# Altium PCB bqZUM_Core_Rev.2.6.PcbDoc (part 1 of 2) (continued)
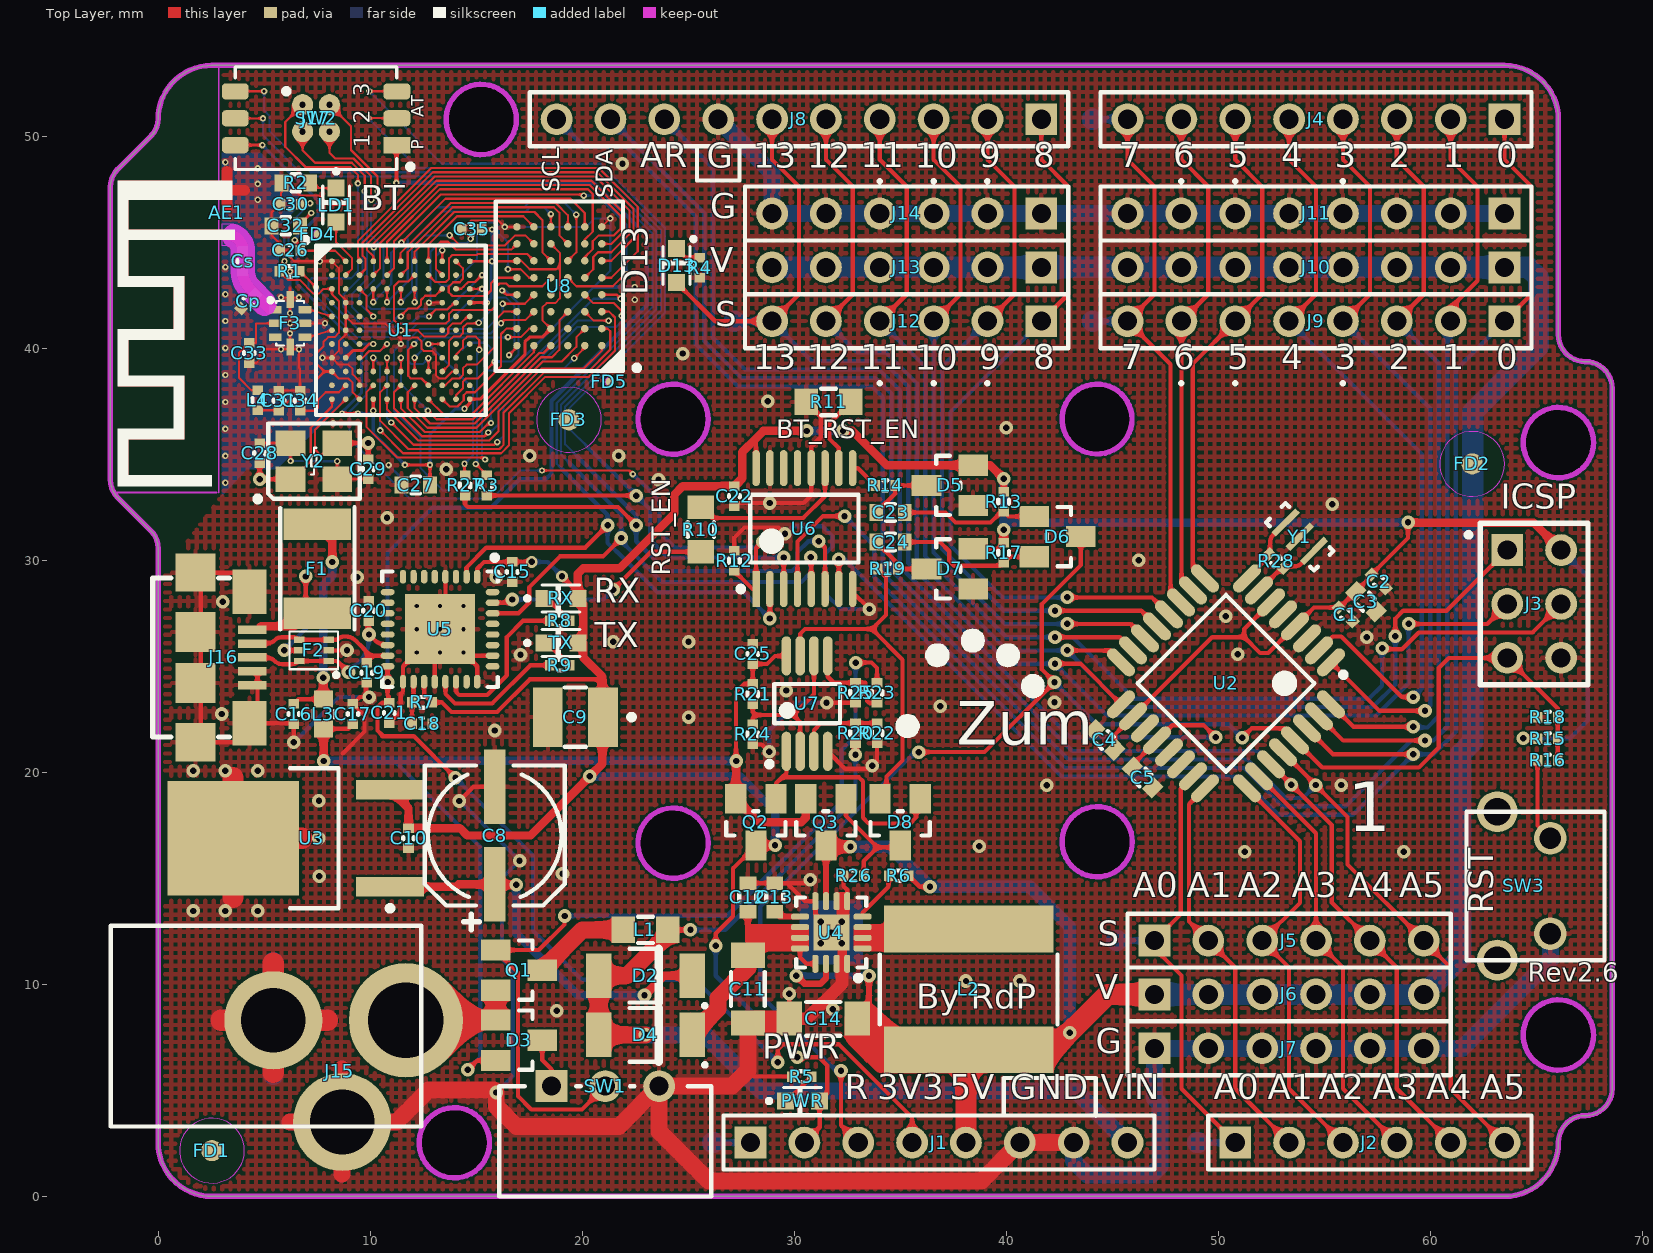
[diagram p0: Top Layer view]
## Footprints (in the part's own frame and the unit in brackets; to place one, negate y for a bottom-side part, rotate by r counter-clockwise, add the part's x,y. Pads: shape width x height; smd on the part's side, far side on the other; paste and mask are expansions set on the pad) (continued)
  oval 0.3x0.65 smd mask+0.05: 9(-1.75,-2.475) 10(-1.25,-2.475) 11(-0.75,-2.475) 12(-0.25,-2.475) 13(0.25,-2.475) 14(0.75,-2.475) 15(1.25,-2.475) 16(1.75,-2.475) 25(1.75,2.475) 26(1.25,2.475) 27(0.75,2.475) 28(0.25,2.475) 29(-0.25,2.475) 30(-0.75,2.475) 31(-1.25,2.475) 32(-1.75,2.475)
  rect 3.3x3.3 smd mask+0.05: 33(0,0)
  silkscreen extent -3.5,-2.73 2.73,2.72, body extent -2.52,-2.51 2.5,2.51, height 0.8
R0402 [mm] "Chip Resistor, Body 1.0x0.5mm, IPC High Density"
  rect 0.45x0.5 smd: 1(-0.475,0) 2(0.475,0)
  silkscreen extent -0.1,-0.25 0.1,0.25, body extent -0.5,-0.25 0.5,0.25, height 0.3
R0603 [mm] "Chip Resistor, Body 1.6x0.8mm, IPC High Density"
  rect 0.65x0.8 smd: 1(-0.675,0) 2(0.675,0)
  silkscreen extent -0.2,-0.4 0.2,0.4, body extent -0.81,-0.4 0.79,0.4, height 0.4
R0805 [mm] "Chip Resistor, Body 2.0x1.25mm, IPC High Density"
  rect 1.1x1.25 smd: 1(-1.05,0) 2(1.05,0)
  silkscreen extent -0.35,-0.62 0.35,0.62, body extent -0.98,-0.62 1.02,0.63, height 0.39
Resonator_1.3x3.2 [mm] "Resonator_1.3x3.2, 3 leads."
  rect 0.3x1.6 smd: 1(-0.95,0) 2(0,0) 3(0.95,0)
  silkscreen extent -1.6,-0.66 1.6,0.64, body extent -1.6,-0.66 1.6,0.64, height 1.02
"Slide SW SPDT Right Angle" [mm] "3 pin SPDT Right Angle Switch pitch 2.54mm"
  rect 1.5x1.5 hole 0.9: 1(0,0)
  round 1.5 hole 0.9: 2(2.54,0) 3(5.08,0)
  silkscreen extent -2.46,-5.2 7.54,0, body extent -2.47,-7.19 7.53,0.32, height 2.5
SOD128 [mm] "Small Outline 2.7x4mm"
  rect 1.2x2.1 smd: A(-2.2,0) K(2.2,0)
  silkscreen extent -0.75,-1.47 2.85,1.27, body extent -2.61,-1.35 2.59,1.35, height 1.11
SOT23-3 [mm] "SOT23, 3-Leads, Body 2.9x1.3mm, Pitch 0.95mm, Lead Span 2.5mm, IPC High Density"
  rect 1x1.4 smd: 1(0.95,1.1) 2(-0.95,1.1) 3(0,-1.1)
  silkscreen extent -1.4,-0.64 1.4,0.51, body extent -1.44,-1.45 1.46,1.35, height 1.07
SOT563 [mm] "SOT563, 6-Leads, Body 1,60x1,20mm, Pitch 0,50mm, IPC Medium Density"
  rect 0.5x0.3 smd paste+0 mask+0.05: 1(-0.7,0.5) 2(-0.7,0) 3(-0.7,-0.5) 4(0.7,-0.5) 5(0.7,0) 6(0.7,0.5)
  silkscreen extent -1.15,-0.89 1.14,1.26, body extent -0.8,-0.8 0.8,0.8, height 0.55
SRN8040 [mm] "SRN8040 Series Inductor, 2-Leads, Body 8,00x8,00mm, IPC Medium Density"
  rect 2.2x8 smd: 1(-2.85,0) 2(2.85,0)
  silkscreen extent -1.65,-4.19 1.65,4.19, body extent -4.01,-4 4.01,4, height 4
"SW DIP3 SMD 1.27" [mm] "SWITCH 3 POS SMD 1.27mm pitch"
  rect 0.76x1.27 smd: 1(-1.27,-3.81)
  rrect50% 0.76x1.27 smd: 2(0,-3.81) 3(1.27,-3.81) 4(1.27,3.81) 5(0,3.81) 6(-1.27,3.81)
  silkscreen extent -2.41,-4.56 2.41,3.81, body extent -2.42,-4 2.43,4, height 2.1
SW_Vert_THT_7.5x6x6.5 [mm] "Vertical Switch THT"
  round 1.54 hole 1: 1(0,0) 2(4.5,0)
  round 1.93 hole 1.3: 3(-1.25,-2.5) 4(5.75,-2.5)
  silkscreen extent -1.25,-3.95 5.75,2.55, body extent -1.84,-3.95 6.34,3.85, height 7.1
TFBGA48P6X8 [mm] "TFBGA48 6 x 8 mm, 6 x 8 ball array, 0.80mm pitch"
  round 0.35 smd: A1(-2,2.8) A2(-1.2,2.8) A3(-0.4,2.8) A4(0.4,2.8) A5(1.2,2.8) A6(2,2.8) B1(-2,2) B2(-1.2,2) B3(-0.4,2) B4(0.4,2) B5(1.2,2) B6(2,2) C1(-2,1.2) C2(-1.2,1.2) C3(-0.4,1.2) C4(0.4,1.2) C5(1.2,1.2) C6(2,1.2) D1(-2,0.4) D2(-1.2,0.4) D3(-0.4,0.4) D4(0.4,0.4) D5(1.2,0.4) D6(2,0.4) E1(-2,-0.4) E2(-1.2,-0.4) E3(-0.4,-0.4) E4(0.4,-0.4) E5(1.2,-0.4) E6(2,-0.4) F1(-2,-1.2) F2(-1.2,-1.2) F3(-0.4,-1.2) F4(0.4,-1.2) F5(1.2,-1.2) F6(2,-1.2) G1(-2,-2) G2(-1.2,-2) G3(-0.4,-2) G4(0.4,-2) G5(1.2,-2) G6(2,-2) H1(-2,-2.8) H2(-1.2,-2.8) H3(-0.4,-2.8) H4(0.4,-2.8) H5(1.2,-2.8) H6(2,-2.8)
  silkscreen extent -3.78,-4 3,4, body extent -3,-4 3,4, height 1.2
TFBGA96P8X8 [mm] "96-Ball Thin Fine-Pitch Ball Grid Array (TFBGA)"
  round 0.27 smd: A1(-3.25,3.25) A2(-2.6,3.25) A3(-1.95,3.25) A4(-1.3,3.25) A5(-0.65,3.25) A6(0,3.25) A7(0.65,3.25) A8(1.3,3.25) A9(1.95,3.25) A10(2.6,3.25) A11(3.25,3.25) B1(-3.25,2.6) B2(-2.6,2.6) B3(-1.95,2.6) B4(-1.3,2.6) B5(-0.65,2.6) B6(0,2.6) B7(0.65,2.6) B8(1.3,2.6) B9(1.95,2.6) B10(2.6,2.6) B11(3.25,2.6) C1(-3.25,1.95) C2(-2.6,1.95) C3(-1.95,1.95) C4(-1.3,1.95) C5(-0.65,1.95) C6(0,1.95) C7(0.65,1.95) C8(1.3,1.95) C9(1.95,1.95) C10(2.6,1.95) C11(3.25,1.95) D1(-3.25,1.3) D2(-2.6,1.3) D3(-1.95,1.3) D9(1.95,1.3) D10(2.6,1.3) D11(3.25,1.3) E1(-3.25,0.65) E2(-2.6,0.65) E3(-1.95,0.65) E9(1.95,0.65) E10(2.6,0.65) E11(3.25,0.65) F1(-3.25,0) F2(-2.6,0) F3(-1.95,0) F9(1.95,0) F10(2.6,0) F11(3.25,0) G1(-3.25,-0.65) G2(-2.6,-0.65) G3(-1.95,-0.65) G9(1.95,-0.65) G10(2.6,-0.65) G11(3.25,-0.65) H1(-3.25,-1.3) H2(-2.6,-1.3) H3(-1.95,-1.3) H9(1.95,-1.3) H10(2.6,-1.3) H11(3.25,-1.3) J1(-3.25,-1.95) J2(-2.6,-1.95) J3(-1.95,-1.95) J4(-1.3,-1.95) J5(-0.65,-1.95) J6(0,-1.95) J7(0.65,-1.95) J8(1.3,-1.95) J9(1.95,-1.95) J10(2.6,-1.95) J11(3.25,-1.95) K1(-3.25,-2.6) K2(-2.6,-2.6) K3(-1.95,-2.6) K4(-1.3,-2.6) K5(-0.65,-2.6) K6(0,-2.6) K7(0.65,-2.6) K8(1.3,-2.6) K9(1.95,-2.6) K10(2.6,-2.6) K11(3.25,-2.6) L1(-3.25,-3.25) L2(-2.6,-3.25) L3(-1.95,-3.25) L4(-1.3,-3.25) L5(-0.65,-3.25) L6(0,-3.25) L7(0.65,-3.25) L8(1.3,-3.25) L9(1.95,-3.25) L10(2.6,-3.25) L11(3.25,-3.25)
  silkscreen extent -4.62,-4 4,4.37, body extent -4,-4 4,4, height 1.2
TO-252 [mm] "TO-252, 3-Pads, Body 6,21x6,71mm (max), IPC Medium Density"
  rect 3.2x0.93 smd: 1(-5.478,2.29) 3(-5.478,-2.29)
  rect 6.2x5.4 smd: 2(1.922,0)
  silkscreen extent -5.6,-3.3 -0.76,3.43, body extent -5.81,-3.27 4.13,3.27, height 2.3
TQFP32 [mm] "Thin QFP, 32-Leads, Body 7x7mm, Pitch 0.8mm, IPC Medium Density"
  oval 1.65x0.55 smd: 1(-4.2,2.8) 2(-4.2,2) 3(-4.2,1.2) 4(-4.2,0.4) 5(-4.2,-0.4) 6(-4.2,-1.2) 7(-4.2,-2) 8(-4.2,-2.8) 17(4.2,-2.8) 18(4.2,-2) 19(4.2,-1.2) 20(4.2,-0.4) 21(4.2,0.4) 22(4.2,1.2) 23(4.2,2) 24(4.2,2.8)
  oval 0.55x1.65 smd: 9(-2.8,-4.2) 10(-2,-4.2) 11(-1.2,-4.2) 12(-0.4,-4.2) 13(0.4,-4.2) 14(1.2,-4.2) 15(2,-4.2) 16(2.8,-4.2) 25(2.8,4.2) 26(2,4.2) 27(1.2,4.2) 28(0.4,4.2) 29(-0.4,4.2) 30(-1.2,4.2) 31(-2,4.2) 32(-2.8,4.2)
  silkscreen extent -4.32,-2.95 2.95,3.75, body extent -4.47,-4.5 4.53,4.5, height 1.6
TSSOP16 [mm] "TSSOP, 16-Leads, Body 5.0x4.4mm, Pitch 0.65mm"
  rect 0.35x1.7 smd: 1(-2.275,-2.85)
  oval 0.35x1.7 smd: 2(-1.625,-2.85) 3(-0.975,-2.85) 4(-0.325,-2.85) 5(0.325,-2.85) 6(0.975,-2.85) 7(1.625,-2.85) 8(2.275,-2.85) 9(2.275,2.85) 10(1.625,2.85) 11(0.975,2.85) 12(0.325,2.85) 13(-0.325,2.85) 14(-0.975,2.85) 15(-1.625,2.85) 16(-2.275,2.85)
  silkscreen extent -3.12,-2.97 2.55,1.6, body extent -2.56,-3.23 2.54,3.17, height 1.2
USB_Micro_B [mm] "USB Micro Type B SMD"
  rect 0.4x1.35 smd: 1(-1.3,1.338) 2(-0.65,1.338) 3(0,1.338) 4(0.65,1.338) 5(1.3,1.338)
  rect 1.8x1.9 smd: S1(-4,-1.337) S4(4,-1.337)
  rect 1.9x1.9 smd: S2(-1.2,-1.337) S3(1.2,-1.337)
  rect 2.1x1.6 smd: S5(-3.1,1.213) S6(3.1,1.213)
  silkscreen extent -3.75,-3.35 3.75,0.26, body extent -4.1,-3.93 4.1,2, height 2.72
VSSOP8 [mm] "Plastic Small-Outline Package 3.1x5.05 mm"
  oval 1.85x0.45 smd mask+0.05: 1(-2.25,0.975) 2(-2.25,0.325) 3(-2.25,-0.325) 4(-2.25,-0.975) 5(2.25,-0.975) 6(2.25,-0.325) 7(2.25,0.325) 8(2.25,0.975)
  silkscreen extent -2.98,-1.55 0.92,1.9, body extent -1.55,-1.55 1.55,1.55, height 1.1
"XTAL 3.2x2.5" [mm] "Crystal 3.2x2.5mm, 4 leads."
  rect 1.4x1.2 smd: 1(-1.1,-0.85) 2(1.1,-0.85) 3(1.1,0.85) 4(-1.1,0.85)
  silkscreen extent -2.78,-1.91 2.16,1.78, body extent -1.6,-1.28 1.6,1.22, height 0.91

## Part data
AE1: library part Microstrip_2.4GHz, "Antenna with Ground"
C1 C26 C31 C34: library part C0402_10nF_6V3_±10%
C2 C10 C15 C17 C18 C21 C22 C25: library part C0402_100nF_6V3_±10%
C3 C4 C5 C23 C24: library part C0603_1uF_16V_±10%
C8: library part Cap_Al_100uF_25V, "Capacitor Electrolytic"
C9: library part 150uF_6V3_±20%, "Tantalum Capacitor"
C11: library part C1206_10uF_50V_±20%
C12: library part C0603_100nF_25V_±10%
C13: library part C0603_620pF_25V_±5%
C14: library part C1206_22uF_10V_±20%
C16: library part C0402_10nF_16V_±10%
C19 C20: library part C0402_47pF_16V_±10%
C27 C32: library part C0603_2.2uF_6V3_±10%
C28 C29: library part C0402_10pF_6V3_±10%
C30: library part C0402_18pF_6V3_±10%
C33: library part C0402_15pF_16V_±10%
C35: library part C0402_47nF_6V3_±10%
Cp: library part C0402_1pF_50V_0.25pF
Cs: library part C0402_3,7pF_50V_±7%
D2 D4: "Diodo Schottky"
D3 D8: library part BAT54C, "Dual Schottky Diode Common Cathode"
D5 D7: "Dual Schottky Diode"
D6: library part BAT54A, "Dual Schottky Diode Common Anode"
D13 PWR RX: library part "LG Q971-KN-1", "Light Emitting Diode"
F1: library part "FUSE 0.5A 15V", "PTC Resettable Fuse"
F2: library part "USB ESD Single", "USB ESD Protection"
F3: "Band Pass Balun Filter"
FD4 FD5: library part "Fiducial Local 0.4mm"
J1 J4: library part CON_SH_THT2.54_8, "8 pin Socket Header 2.54mm"
J2: library part CON_SH_THT2.54_6, "6 pin Socket Header 2.54mm"
J3: library part CON_DPH_THT2.54_6, "6 pin Dual Header 2.54mm"
J5: library part "CON_PH_THT2.54_6 Blue"
J6 J13: library part "CON_PH_THT2.54_6 Red"
J7 J14: library part CON_PH_THT2.54_6
J8: library part CON_SH_THT2.54_10, "Connector, 10 pin Socket Header 2.54mm"
J9: library part "CON_PH_THT2.54_8 Natural"
J10: library part "CON_PH_THT2.54_8 Red"
J11: library part CON_PH_THT2.54_8
J12: library part "CON_PH_THT2.54_6 Natural"
J15: library part "DC Power Jack", "DC Power Jack"
J16: library part "Micro USB Type B SMD", "USB Micro B"
J17: library part CON_DPH_THT_1.27_4, "4 pin Dual Header 1.27mm"
L1: library part L0805_33R_0,008R_4000mA, "Ferrite Bead"
L2: library part 2,2uH_6,3A, "Inductor SMD"
L3: library part L0603_120R_0,025R_3000mA, "Ferrite Bead"
L4: library part 15nH_0,3A, "Inductor SMD"
LD1: library part LTST-C194TBKT, "Light Emitting Diode"
Q1: library part DMP3098L, "Mosfet Channel P Enhancement Mode"
Q2 Q3: library part DMP2035U, "Mosfet Channel P Enhancement Mode"
R1: library part R0402_2R2_0.063W_±5%
R2: library part R0603_430R_0.1W_±5%
R3 R27: library part R0402_220R_0.063W_±5%
R4 R5 R8 R9: library part R0402_330R_0.063W_±5%
R6: library part R0402_100k_0.063W_±1%
R7: library part R0402_1k_0.063W_±5%
R10 R11: library part R0805_0R_0.125W_±5%
R12: library part R0402_47k_0.063W_±5%
R13 R15 R17: library part R0402_10k_0.063W_±5%
R14 R19: library part R0402_470R_0.063W_±5%
R16: library part R0402_33R_0.063W_±5%
R18: library part R0402_150k_0.063W_±5%
R20 R21: library part R0402_82k_0.063W_±1%
R22: library part R0402_18k_0.063W_±1%
R23: library part R0402_820k_0.063W_±1%
R24: library part R0402_20k_0.063W_±1%
R25: library part R0402_270k_0.063W_±1%
R26: library part R0402_51k_0.063W_±1%
R28: library part R0402_1M_0.063W_±5%
SW1: library part "Switch SPDT"
SW2: library part "SW-DIP 3 SMD", "SWITCH TAPE SEAL 3 POS SMD"
SW3: library part "SW Vertical THT", "Micro miniature pushbutton surface Switch"
TX: library part "LS Q976-NR-1", "Light Emitting Diode"
U1: library part BlueCore4-EXT, "Bluetooth Modem, 2.4-GHz Bluetooth SoC"
U2: "8-bit AVR Microcontroller"
U3: library part TL720M05-Q1, "Standard 3pin LDO"
U4: library part TPS62133, "3A High Efficient Synchronous Step Down Converter with DCS™ Control"
U5: library part FT232RQ, "IC USB TO SERIAL UART 32-QFN"
U6: library part SN74CBT3257, "4-bit 1-of-2 FET multiplexer/demultiplexer"
U7: library part LMV612, "Dual Operational Amplifier"
U8: library part M29W800DT, "8-Mbit 3 V supply flash memory"
Y1: "Resonator 3 pin"
Y2: library part "403C11A 26MHz", "Crystal"

## Free pads (board coordinates)
  round 1.524 hole 3.3 unplated: 0(13.97,2.54) 0(15.24,50.8) 0(24.29,16.67) 0(24.29,36.67) 0(44.29,16.67) 0(44.29,36.67) 0(66.04,7.62) 0(66.04,35.56)

## Via types
v1: diameter 0.64, hole 0.3, Top Layer to Bottom Layer, 129 vias
v2: diameter 0.3, hole 0.15, Top Layer to Bottom Layer, 110 vias
v3: diameter 0.5, hole 0.2, Top Layer to Bottom Layer, 9 vias
v4: diameter 0.5, hole 0.3, Top Layer to Bottom Layer, 5 vias
v5: diameter 0.56, hole 0.3, Top Layer to Bottom Layer, 2 vias

## Nets (pads, with @x,y where several pads share a name; then routed paths per layer and width w, separated by ;. In a path a pad name is that pad's centre, name@x,y a point inside that pad or via, vN(x,y) a via of type N, cw(c..) or ccw(c..) an arc to the next point about the centre after c; other vN are vias at no path point)
1V8: C30.2 C31.2 L4.2 R1.2 U1.C1 U1.J1 U1.L3 | length 18.9
  Top Layer w0.1: L4.2@4.7,37.075 C31.2@5.725,37.075 ; R1.2@5.667,43.625 R1.2@5.725,43.625 ; C31.2@5.7,37.05 6.175,37.525 7.1,37.525 7.45,37.875 7.45,38.5 7.85,38.9 ; v2(5.965,44.1) 5.725,43.86 R1.2@5.725,43.625 ; C30.2@6.725,46.8 6.76,46.835 v2(7.17,46.835) ; U1.L3@9.5,37.6 9.175,37.925 9.175,38.375 8.975,38.575 8.525,38.575 U1.J1@8.2,38.9 7.85,38.9 ; R1.2@5.725,43.625 6.125,43.225 6.676,43.225 7.326,42.575 7.574,42.575 7.799,42.8 U1.C1@8.2,42.8 8.2,42.55 8.315,42.435 8.318,42.435 8.525,42.228 8.525,40.725 8.325,40.525 8.025,40.525 7.8,40.3 7.8,40.1 7.45,39.75 7.45,39.3 7.85,38.9
  Bottom Layer w0.1: v2(5.965,44.1) 5.95,44.115 5.95,45.615 v2(7.17,46.835)
3V_SW: C26.2 C27.2 C35.1 SW2.6 U1.A2 U1.A11 U1.D11 U1.H2 U1.L4 U1.L11 U8.B4 U8.F6 U8.G4 | length 54
  Top Layer w0.1: v2(6.45,45.1) 6.7,44.85 C26.2@6.7,44.625 C26.2@6.675,44.625 ; C26.2@6.725,44.6 8.35,44.6 U1.A2@8.85,44.1 ; U1.A11@14.7,44.1 16.9,44.1 U8.F6@16.925,44.125 17.125,44.125 17.525,43.725 18.775,43.725 18.95,43.9 ; U8.G4@18.45,44.925 U8.G4@18.525,44.925 18.95,44.5 18.95,43.9 ; U8.B4@18.525,40.925 18.125,41.325 18.125,41.925 18.325,42.125 18.725,42.125 18.95,42.35 18.95,43.9
  Top Layer w0.15: SW2.6@3.49,49.58 v2(4.92,49.58) ; v2(8.675,36.925) v2(9.425,36.925) ; U1.H2@8.85,39.55 9.19,39.89 9.64,39.89 9.95,40.2 v2(10.15,40.2) ; v2(10.15,37.05) U1.L4@10.15,37.6 ; v2(11.64,34.5) v2(12.825,34.5) C27.2@12.825,33.55 ; v2(14.449,37.15) 14.7,37.4 U1.L11@14.7,37.6 15.199,37.6 17.3,39.701 17.3,39.818 17.3,40.3 17.525,40.525 18.125,40.525 U8.B4@18.525,40.925 ; U1.D11@14.7,42.15 v2(15.5,42.15) ; C35.1@15.275,45.6 v2(15.75,45.6)
  Bottom Layer w0.1: 9.982,40.2 v2(10.15,40.2)
  Bottom Layer w0.15: v2(4.92,49.58) 7.55,46.95 7.55,46.245 6.45,45.145 v2(6.45,45.1) 6.45,44.85 6.55,44.75 6.55,43.033 9.383,40.2 9.982,40.2 9.595,39.813 9.595,37.893 8.675,36.973 v2(8.675,36.925) ; v2(9.425,36.925) 10.025,36.925 v2(10.15,37.05) 10.15,35.99 v2(11.64,34.5) ; v2(12.825,34.5) 12.825,35.95 14.025,37.15 v2(14.449,37.15) ; v2(15.5,42.15) 15.7,42.35 15.7,43.9 15.75,43.95 v2(15.75,44.1) v2(15.75,45.6)
5V_HP: C14.2 J1.5 J6.1 J6.2 J6.3 J6.4 J6.5 J6.6 J10.1 J10.2 J10.3 J10.4 J10.5 J10.6 J10.7 J10.8 J13.1 J13.2 J13.3 J13.4 J13.5 J13.6 L2.2 Q3.3 R6.2 U4.7 U4.14 | length 137.8
  Top Layer w0.2: R6.2@35.4,15.125 35.92,14.605 v1(36.404,14.605)
  Top Layer w0.28: 31.5,10.291 U4.14@31.5,10.971 ; U4.7@31.5,13.921 Q3.3@31.5,16.549 ; C14.2@32.969,8.382 33.163,8.576 C14.2@33.207,8.62
  Top Layer w0.3: v1(30.099,10.414) 30.48,10.033 31.242,10.033 31.5,10.291 ; C14.2@33.207,8.62 33.528,8.941 v1(33.528,10.414)
  Top Layer w0.6: Q3.3@31.563,16.486 v1(32.654,16.486)
  Top Layer w1: J1.5@38.1,2.54 L2.2@38.1,6.405 ; L2.2@38.23,6.91 42.159,6.91 44.774,9.525 J6.1@46.99,9.525
  Top Layer w1.2: C14.2@32.969,8.382 32.969,7.624 34.188,6.405 L2.2@38.1,6.405 ; C14.2@33.163,8.576 33.378,8.576 34.621,7.333 L2.2@35.379,7.333
  Bottom Layer w0.3: v1(30.099,10.414) v1(33.528,10.414)
  Bottom Layer w0.6: v1(32.654,16.486) 34.523,16.486 v1(36.404,14.605) 41.119,14.605 42.99,12.734 v1(42.99,7.724)
  Bottom Layer w1: J13.6@28.956,43.815 J13.5@31.496,43.815 J13.4@34.036,43.815 J13.3@36.576,43.815 J13.2@39.116,43.815 J13.1@41.656,43.815 J10.8@45.72,43.815 J10.7@48.26,43.815 J10.6@50.8,43.815 J10.5@53.34,43.815 J10.4@55.88,43.815 J10.3@58.42,43.815 J10.2@60.96,43.815 J10.1@63.5,43.815 64.613,43.815 65.096,43.332 65.096,40.096 62,37 62,21.45 61.439,20.889 61.439,11.274 J6.6@59.69,9.525 J6.5@57.15,9.525 J6.4@54.61,9.525 J6.3@52.07,9.525 J6.2@49.53,9.525 J6.1@46.99,9.525
5V_REG: C1.2 C2.2 C3.2 C4.2 C9.1 C10.2 C15.2 C22.1 D5.2 D7.2 J1.2 J3.2 PWR.A Q2.3 R7.2 R13.2 R15.2 R17.2 RX.A TX.A U2.4 U2.6 U2.18 U3.3 U5.1 U5.19 U6.16 | length 161.9
  Top Layer w0.2: U5.19@12.55,24.275 12.55,23.675 R7.2@12.925,23.3 13.384,23.3 13.834,22.85 15.992,22.85 17.526,24.384 20.955,24.384 ; U5.1@15.05,29.225 15.05,29.6 15.375,29.925 C15.2@16.7,29.925 v5(17.625,29.925) ; v5(19.05,29.25) 19.8,28.5 RX.A@19.8,28.2 ; v1(26.301,11.815) 26.301,12.399 27.113,13.211 27.113,15.472 Q2.3@28.194,16.553 ; 28.2,35.75 28.205,35.745 U6.16@28.205,34.346 ; v1(30.15,6.56) 31.179,6.56 31.561,6.178 31.561,4.861 PWR.A@31.2,4.5 31.2,3.26 J1.2@30.48,2.54 ; D7.2@38.438,30.541 39.591,30.541 R17.2@39.878,30.828 ; v1(39.878,31.445) v1@39.878,31.473 ; R13.2@39.878,33.241 v1(39.878,33.851) ; C4.2@45.127,21.053 45.127,21.788 U2.18@45.981,22.641 49.715,26.375 51.225,26.375 ; U2.6@52.486,28.015 51.225,26.754 51.225,26.375 ; v1@58.95,31.775 58.95,31.052 C2.2@57.23,29.332 cw(c57.068,29.332) 57.183,29.217 55.796,27.831 cw(c55.671,27.955) C1.2@55.671,27.779 54.513,27.779 U2.4@53.618,26.884 52.359,25.625 51.975,25.625 51.225,26.375 ; v1(64.375,21.6) 65.047,21.6 R15.2@65.057,21.59
  Top Layer w0.4: U3.3@10.939,19.181 11.811,18.309 C10.2@11.811,17.366 14.236,17.366 14.581,17.021 17.571,17.021 v1(20.363,19.813) 20.955,20.405 20.955,24.384 20.955,24.511 20.05,25.416 20.05,26.1 TX.A@19.8,26.1 20.05,26.35 20.05,27.95 RX.A@19.8,28.2 19.8,29.375 20.043,29.618 21.761,29.618 24.35,32.207 24.35,33.1 24.745,33.495 C22.1@27.178,33.495 27.55,33.867 27.55,35.1 28.2,35.75 28.55,36.1 v1(30.6,36.1) ; Q2.3@28.194,16.553 v1(29.097,16.553) ; v1(32.3,36.1) 32.75,36.1 34.372,34.478 D5.2@38.438,34.478 39.252,34.478 v1(39.878,33.851) ; R17.2@39.878,30.828 v1(39.878,31.445) ; v1@58.95,31.775 64.872,31.775 J3.2@66.167,30.48
  Bottom Layer w0.2: v5(17.625,29.925) 18.375,29.925 v5(19.05,29.25) ; v1(26.301,11.815) 26.301,10.409 v1(30.15,6.56) ; v1(64.375,21.6) 66.575,21.6 67.425,22.45 67.425,29.222 J3.2@66.167,30.48
  Bottom Layer w0.4: v1(20.363,19.813) 27.431,19.813 29.097,18.147 v1(29.097,16.553) ; v1(30.6,36.1) v1(32.3,36.1) ; v1(39.878,33.851) v1(39.878,31.445) 40.208,31.775 v1@58.95,31.775
  other v1: 58.95,31.8
5V_USB: C17.2 C25.1 D3.2 L3.2 Q2.2 Q3.2 R21.2 U7.8 | length 54.4
  Top Layer w0.2: L3.2@7.794,22.05 8.966,22.05 C17.2@9.191,22.275 ; v1(14.605,5.969) 15.051,6.415 D3.2@15.92,6.415 ; v1(27.261,20.533) 27.261,23.798 27.628,24.165 R21.2@28.044,24.165 C25.1@28.044,25.108 28.718,25.108 29.101,25.491 U7.8@29.632,25.491
  Top Layer w0.4: L3.2@7.794,22.05 v1(7.817,20.533) ; Q2.2@27.238,18.759 v1(27.261,20.533) ; Q2.2@27.244,18.753 28.344,17.653 30.337,17.653 30.546,17.862 Q3.2@30.546,18.753
  Bottom Layer w0.2: v1(7.817,20.533) 8.403,20.533 ; 11.147,20.533 15.199,16.481 15.199,6.581 14.605,5.987 v1(14.605,5.969)
  Bottom Layer w0.4: v1(7.817,20.533) 7.822,20.538 27.256,20.538 v1(27.261,20.533)
A0: J2.1 J5.1 U2.23 | length 26.4
  Top Layer w0.2: U2.23@48.809,19.813 48.225,19.229 48.225,13.3 J5.1@46.99,12.065 46.99,11.684 48.26,10.414 48.26,5.08 J2.1@50.8,2.54
  Bottom Layer w0.3: 45.212,12.065 J5.1@46.99,12.065 ; 49.022,2.54 J2.1@50.8,2.54
  Bottom Layer w0.5: 45.466,12.065 ccw(c45.212,12.065) 45.466,12.065 ; 49.276,2.54 ccw(c49.022,2.54) 49.276,2.54
A1: J2.2 J5.2 U2.24 | length 19
  Top Layer w0.2: U2.24@49.375,19.247 48.625,18.497 48.625,12.97 J5.2@49.53,12.065 50.8,10.795 50.8,5.08 J2.2@53.34,2.54
A2: J2.3 J5.3 U2.25 | length 20.1
  Top Layer w0.2: U2.25@51.355,19.247 53.85,16.752 53.85,13.845 J5.3@52.07,12.065 53.34,10.795 53.34,5.08 J2.3@55.88,2.54
A3: J2.4 J5.4 U2.26 | length 20
  Top Layer w0.2: U2.26@51.921,19.813 54.61,17.124 J5.4@54.61,12.065 55.88,10.795 55.88,5.08 J2.4@58.42,2.54
A4: J2.5 J5.5 J8.9 U2.27 | length 74.9
  Top Layer w0.2: U2.27@52.486,20.379 v1(53.45,19.415) 55.35,17.515 55.35,13.865 J5.5@57.15,12.065 58.42,10.795 58.42,5.08 J2.5@60.96,2.54
  Bottom Layer w0.2: J8.9@21.336,50.8 25.762,46.374 25.762,40.347 27.509,38.6 33.834,38.6 34.576,37.858 34.576,29.54 43.111,21.005 51.86,21.005 v1(53.45,19.415)
A5: J2.6 J5.6 J8.10 U2.28 | length 80.4
  Top Layer w0.2: U2.28@53.052,20.944 56.1,17.896 56.1,15.655 J5.6@59.69,12.065 60.96,10.795 60.96,5.08 J2.6@63.5,2.54
  Bottom Layer w0.2: J8.10@18.796,50.8 20.096,49.5 22.07,49.5 25.362,46.208 25.362,40.182 27.344,38.2 33.669,38.2 34.176,37.693 34.176,29.374 42.945,20.605 51.383,20.605 53.193,18.795 53.995,18.795 v1(54.6,19.4)
AD0: U1.A3 U8.E1 | length 20.7
  Top Layer w0.1: U1.A3@9.5,44.075 9.5,44.225 9.425,44.3 9.425,45.048 12.877,48.5 20.791,48.5 22.625,46.666 22.625,44.575 21.375,43.325 U8.E1@20.925,43.325
AD1: U1.K4 U8.D1 | length 20.4
  Top Layer w0.1: U1.K4@10.15,38.25 9.825,37.925 9.825,36.3 11.275,34.85 15.325,34.85 v2(15.425,34.75) ; U8.D1@20.925,42.525 21.63,42.525 v2(21.82,42.335)
  Bottom Layer w0.1: v2(15.425,34.75) 15.275,34.9 15.275,37.075 20.535,42.335 v2(21.82,42.335)
AD2: U1.J4 U8.C1 | length 20.9
  Top Layer w0.1: U1.J4@10.15,38.9 v2(10.15,39.55) ; v2(10.475,36.125) 11.55,35.05 16.182,35.05 16.55,35.418 16.55,36.934 18.266,38.65 20.316,38.65 21.55,39.884 21.55,41.45 21.275,41.725 U8.C1@20.925,41.725
  Bottom Layer w0.1: v2(10.15,39.55) 10.475,39.225 v2(10.475,36.125)
AD3: U1.L5 U8.A1 | length 13.7
  Top Layer w0.1: U1.L5@10.8,37.6 10.8,37.175 10.8,37.125 12.275,35.65 15.625,35.65 16.05,36.075 16.05,37 18.1,39.05 20.086,39.05 20.925,39.889 U8.A1@20.925,40.125
AD4: U1.K5 U8.B1 | length 17.4
  Top Layer w0.1: U1.K5@10.8,38.25 10.475,37.925 10.475,36.575 11.8,35.25 16.099,35.25 16.3,35.451 16.3,36.967 18.183,38.85 20.233,38.85 21.325,39.942 21.325,40.8 21.2,40.925 U8.B1@20.925,40.925
AD5: U1.K6 U8.D2 | length 17.8
  Top Layer w0.1: U1.K6@11.45,38.25 11.125,37.925 11.125,37.175 12.45,35.85 15.4,35.85 v2(15.575,36.025) ; U8.D2@20.125,42.525 20.525,42.125 21.5,42.125 21.87,41.755 v2(21.87,41.525)
  Bottom Layer w0.1: v2(15.575,36.025) 15.673,36.025 16.05,36.402 16.05,37.283 19.767,41 21.607,41 21.87,41.263 v2(21.87,41.525)
AD6: U1.L6 U8.C2 | length 14.6
  Top Layer w0.1: U1.L6@11.45,37.6 11.45,37.175 12.575,36.05 15.175,36.05 15.602,36.477 v2(15.701,36.477) ; U8.C2@20.125,41.725 20.55,41.3 v2(21.25,41.3)
  Bottom Layer w0.1: v2(15.701,36.477) 15.701,37.217 19.784,41.3 v2(21.25,41.3)
AD7: U1.J5 U8.A2 | length 16.1
  Top Layer w0.1: U1.J5@10.8,38.9 v2(10.8,39.55) ; v2(11,36.5) 12.05,35.45 15.875,35.45 v2(16,35.575) ; v2(19.625,39.525) 20.125,40.025 U8.A2@20.125,40.125
  Bottom Layer w0.1: v2(10.8,39.55) 10.8,36.7 v2(11,36.5) ; v2(16,35.575) 16.3,35.875 16.3,37.25 18.1,39.05 19.15,39.05 v2(19.625,39.525)
AD8: U1.J7 U8.B5 | length 7.1
  Top Layer w0.1: U1.J7@12.1,38.9 v2(12.1,39.55) ; v2(16.5,40.525) 17.1,40.525 17.5,40.925 U8.B5@17.725,40.925
  Bottom Layer w0.1: v2(12.1,39.55) 12.425,39.875 12.425,40.3 12.625,40.5 16.475,40.5 v2(16.5,40.525)
AD9: U1.L8 U8.A5 | length 6.8
  Top Layer w0.1: U1.L8@12.75,37.6 13.5,36.85 14.767,36.85 17.725,39.808 U8.A5@17.725,40.125
AD10: U1.K8 U8.C5 | length 9.1
  Top Layer w0.1: v2(12.075,40.2) 11.8,39.925 11.8,38.7 11.925,38.575 12.425,38.575 U1.K8@12.75,38.25 ; v2(16.175,41.175) 16.325,41.325 17.325,41.325 U8.C5@17.725,41.725
  Bottom Layer w0.1: v2(12.075,40.2) 12.075,40.233 12.542,40.7 15.7,40.7 v2(16.175,41.175)
AD11: U1.J8 U8.D5 | length 9.8
  Top Layer w0.1: U1.J8@12.75,38.9 v2(12.75,39.525) ; v2(16.25,42.1) 17.3,42.1 U8.D5@17.725,42.525
  Bottom Layer w0.1: v2(12.75,39.525) 12.475,39.25 11.95,39.25 11.775,39.425 11.775,40.35 12.325,40.9 15.475,40.9 16.25,41.675 v2(16.25,42.1)
AD12: U1.L9 U8.B6 | length 6.2
  Top Layer w0.1: U1.L9@13.4,37.6 13.75,37.25 14.125,37.25 14.415,37.54 14.415,37.79 14.55,37.925 14.95,37.925 16.175,39.15 16.175,40.675 16.425,40.925 U8.B6@16.925,40.925
AD13: U1.J9 U8.A6 | length 9
  Top Layer w0.1: U1.J9@13.4,38.9 13.725,39.225 13.725,40.35 13.925,40.55 14.225,40.55 14.375,40.7 14.375,40.975 14.575,41.175 v2@15.1,41.175 ; v2(16.55,39.675) U8.A6@16.925,40.05 ; U8.A6@16.925,40.025 U8.A6@16.925,40.05 ; U8.A6@16.925,40.125 U8.A6@16.925,40.05
  Bottom Layer w0.1: v2(15.126,41.202) 15.925,42.001 15.925,42.275 16.05,42.4 16.397,42.4 16.801,41.996 16.801,39.926 v2(16.55,39.675)
AD14: U1.K9 U8.C6 | length 5.9
  Top Layer w0.1: U1.K9@13.4,38.25 13.55,38.25 13.875,38.575 14.217,38.575 14.375,38.733 14.375,39.05 14.55,39.225 15.025,39.225 15.875,40.075 15.875,41.299 16.301,41.725 U8.C6@16.925,41.725
AD15: U1.L10 U8.D6 | length 8.3
  Top Layer w0.1: U1.L10@14.05,37.6 14.05,37.775 14.375,38.1 14.375,38.425 14.525,38.575 15.075,38.575 v2(15.875,39.375) ; v2(16.225,42.725) 16.425,42.525 U8.D6@16.925,42.525
  Bottom Layer w0.1: v2(15.875,39.375) 16.674,39.375 17.001,39.702 17.001,42.125 16.401,42.725 v2(16.225,42.725)
AD16: U1.A10 U8.E6 | length 5.9
  Top Layer w0.1: U1.A10@14.05,44.1 14.375,43.775 14.375,43.265 14.225,43.115 13.92,43.115 13.71,42.905 13.71,42.64 13.885,42.465 15.44,42.465 15.7,42.725 15.7,43.07 15.955,43.325 U8.E6@16.925,43.325
AD17: U1.K7 U8.B2 | length 12.1
  Top Layer w0.1: U1.K7@12.1,38.25 11.775,37.925 11.775,37.175 12.7,36.25 15.017,36.25 18.142,39.375 19.035,39.375 19.725,40.065 19.725,40.525 U8.B2@20.125,40.925
AD18: U1.L7 U8.C3 | length 11
  Top Layer w0.1: U1.L7@12.1,37.6 12.1,37.175 12.825,36.45 14.934,36.45 18.059,39.575 18.575,39.575 18.925,39.925 18.925,41.325 U8.C3@19.325,41.725
AREF: C5.2 J8.8 U2.20 | length 52.7
  Top Layer w0.2: C5.2@45.951,20.229 45.951,20.348 U2.20@47.112,21.51 47.827,22.225 49.3,22.225 v1(49.875,21.65)
  Bottom Layer w0.2: J8.8@23.876,50.8 26.162,48.513 26.162,40.513 27.675,39 34,39 34.976,38.024 34.976,29.705 43.031,21.65 v1(49.875,21.65)